# KiCad board noraneko42sgr.kicad_pcb
date: 2022-09-22
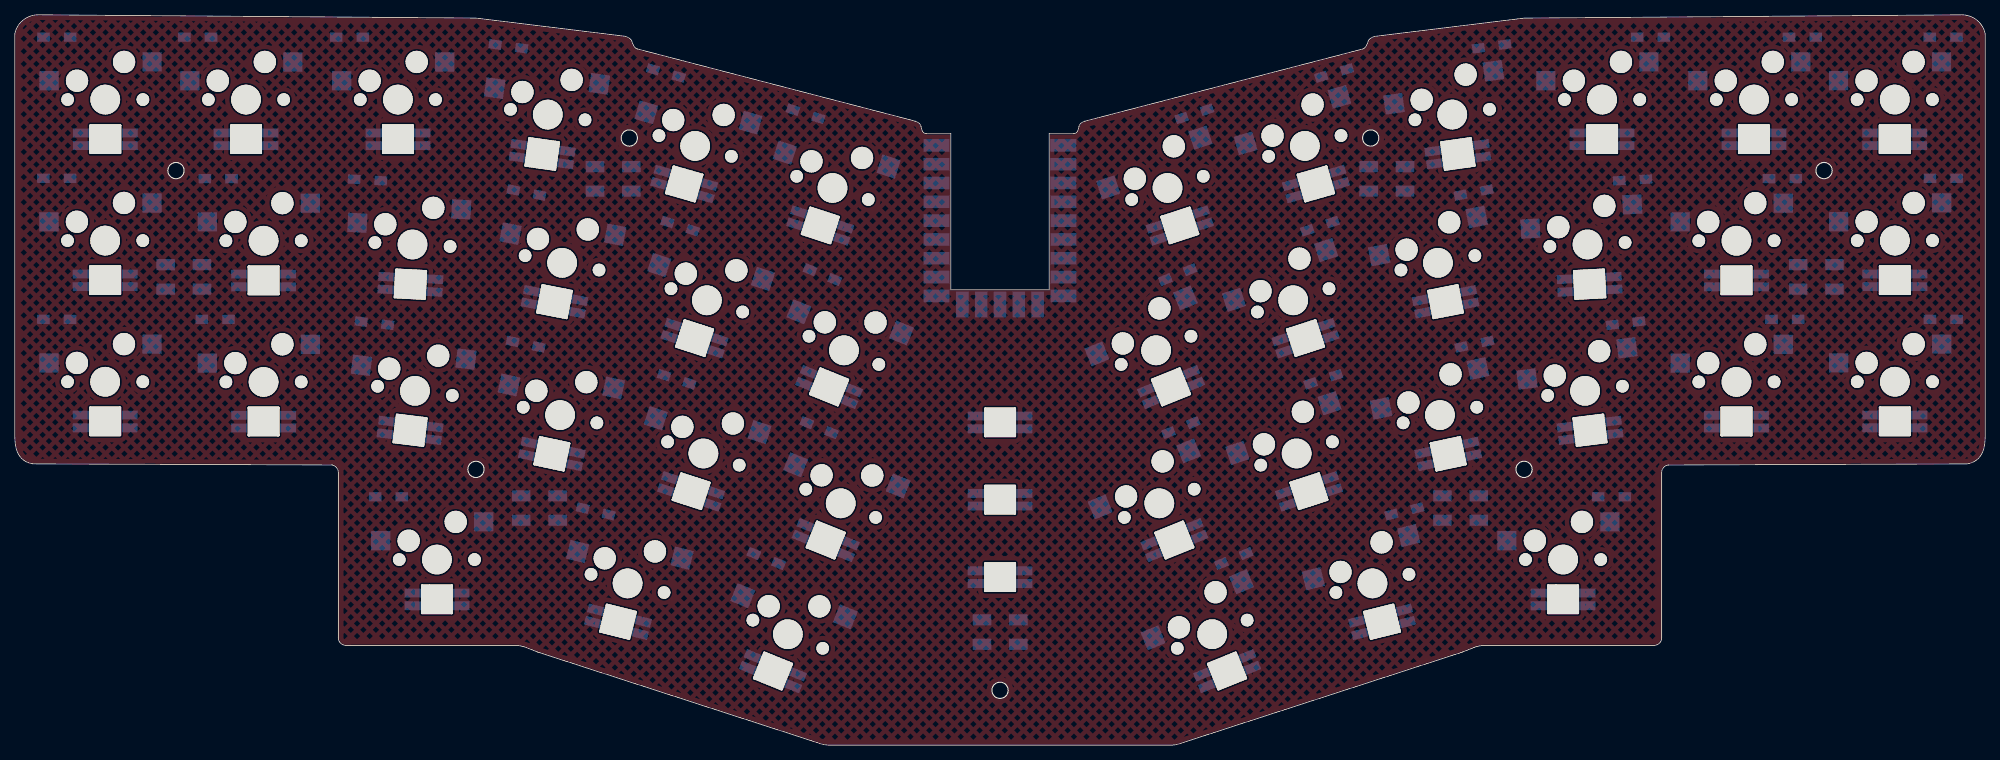
[diagram p0: board, top side]
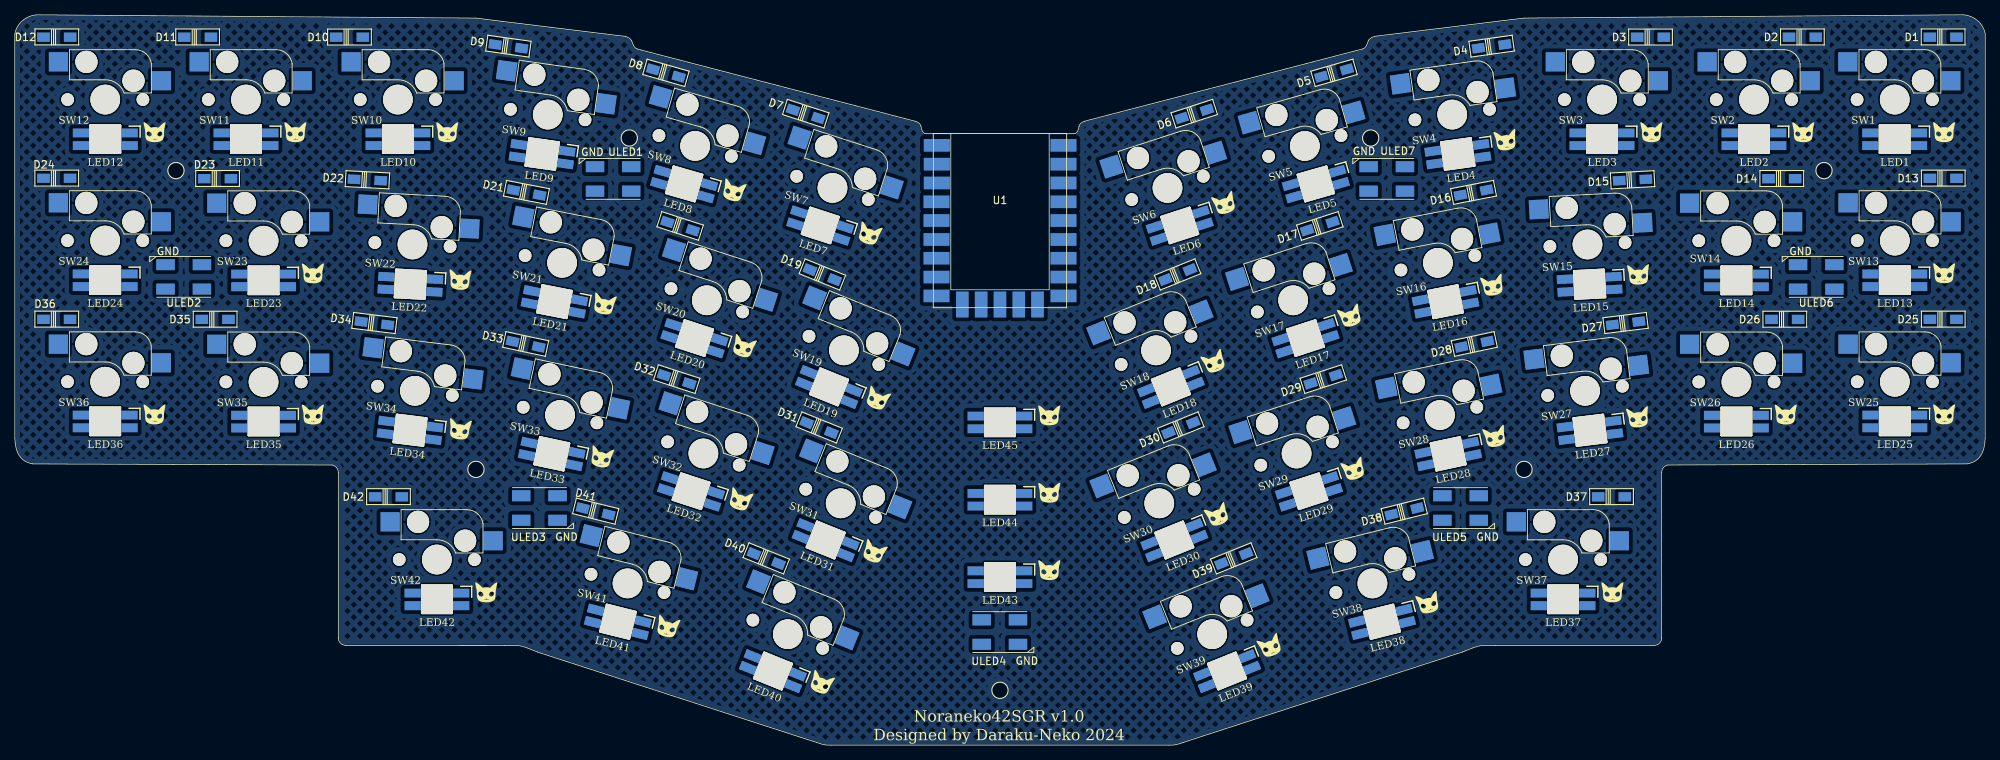
[diagram p1: board, bottom side, seen from below]

Outline 265.88 x 98.56 mm; copper layers: Top, Bottom. Coordinates in mm from the lower left corner of the outline.
Outline path: circle c21.75,77.54 r1.1 ; circle c62.23,37.22 r1.1 ; circle c82.92,81.93 r1.1 ; circle c132.94,7.4 r1.1 ; circle c182.96,81.94 r1.1 ; circle c203.65,37.22 r1.1 ; circle c244.13,77.54 r1.1 ; 0,41.44 0,95.97 ; 2.44,37.96 42.82,37.81 ; 43.66,14.47 43.66,36.83 ; 2.98,98.56 62.22,98.12 82.4,95.65 ; 66.11,13.47 44.66,13.47 ; 108.18,0.38 70.55,12.57 ; 121.49,84.21 83.96,93.96 ; 126.3,82.52 123.06,82.52 ; 142.82,82.52 139.57,82.52 ; 155.75,0.01 110.13,0.01 ; 181.91,93.96 144.38,84.2 ; 183.48,95.65 203.66,98.11 262.9,98.56 ; 195.33,12.57 157.7,0.38 ; 221.22,13.47 199.77,13.46 ; 222.22,36.83 222.22,14.47 ; 223.06,37.81 263.44,37.96 ; 265.87,41.44 265.88,95.97
Stack: Top 0.035mm / dielectric 1.51mm FR4 er 4.5 / Bottom 0.035mm

## Placement (name value [footprint] x y rotation side)
D1  D  [1N4148W]  5.67 95.55 180 bottom
D2  D  [1N4148W]  24.67 95.54 180 bottom
D3  D  [1N4148W]  45.16 95.54 180 bottom
D4  D  [1N4148W]  66.6 94.3 172 bottom
D5  D  [1N4148W]  87.86 90.7 164 bottom
D6  D  [1N4148W]  106.72 85.19 162 bottom
D7  D  [1N4148W]  159.17 85.2 198 bottom
D8  D  [1N4148W]  178.02 90.71 196 bottom
D9  D  [1N4148W]  199.28 94.31 188 bottom
D10  D  [1N4148W]  220.72 95.54 180 bottom
D11  D  [1N4148W]  241.21 95.55 180 bottom
D12  D  [1N4148W]  260.21 95.55 180 bottom
D13  D  [1N4148W]  5.66 76.5 180 bottom
D14  D  [1N4148W]  27.44 76.45 180 bottom
D15  D  [1N4148W]  47.58 76.27 177 bottom
D16  D  [1N4148W]  69.04 74.57 169 bottom
D17  D  [1N4148W]  89.78 70.04 162 bottom
D18  D  [1N4148W]  108.96 63.49 158 bottom
D19  D  [1N4148W]  156.92 63.5 202 bottom
D20  D  [1N4148W]  176.11 70.05 198 bottom
D21  D  [1N4148W]  196.84 74.58 191 bottom
D22  D  [1N4148W]  218.3 76.28 183 bottom
D23  D  [1N4148W]  238.52 76.45 180 bottom
D24  D  [1N4148W]  260.22 76.5 180 bottom
D25  D  [1N4148W]  5.66 57.47 180 bottom
D26  D  [1N4148W]  27.03 57.46 180 bottom
D27  D  [1N4148W]  48.52 56.94 173 bottom
D28  D  [1N4148W]  68.93 54.11 168 bottom
D29  D  [1N4148W]  89.31 49.37 162 bottom
D30  D  [1N4148W]  108.53 42.85 158 bottom
D31  D  [1N4148W]  157.35 42.85 202 bottom
D32  D  [1N4148W]  176.57 49.38 198 bottom
D33  D  [1N4148W]  196.95 54.12 192 bottom
D34  D  [1N4148W]  217.36 56.95 187 bottom
D35  D  [1N4148W]  238.85 57.46 180 bottom
D36  D  [1N4148W]  260.22 57.47 180 bottom
D37  D  [1N4148W]  50.42 33.51 180 bottom
D38  D  [1N4148W]  78.38 31.55 166 bottom
D39  D  [1N4148W]  101.39 25.19 158 bottom
D40  D  [1N4148W]  164.49 25.19 202 bottom
D41  D  [1N4148W]  187.5 31.56 194 bottom
D42  D  [1N4148W]  215.46 33.52 180 bottom
LED1  -  [SK6812MINI-E]  12.21 81.78 0 bottom
LED2  -  [SK6812MINI-E]  31.2 81.78 0 bottom
LED3  -  [SK6812MINI-E]  51.7 81.78 0 bottom
LED4  -  [SK6812MINI-E]  71.16 79.77 352 bottom
LED5  SK6812MINI-E  [SK6812MINI-E_no_logo]  90.32 75.73 344 bottom
LED6  -  [SK6812MINI-E]  108.69 70.14 342 bottom
LED7  -  [SK6812MINI-E]  157.19 70.14 18 bottom
LED8  -  [SK6812MINI-E]  175.56 75.74 16 bottom
LED9  SK6812MINI-E  [SK6812MINI-E_no_logo]  194.72 79.78 8 bottom
LED10  -  [SK6812MINI-E]  214.18 81.78 0 bottom
LED11  -  [SK6812MINI-E]  234.68 81.78 0 bottom
LED12  -  [SK6812MINI-E]  253.67 81.78 0 bottom
LED13  -  [SK6812MINI-E]  12.2 62.75 0 bottom
LED14  SK6812MINI-E  [SK6812MINI-E_no_logo]  33.57 62.73 0 bottom
LED15  -  [SK6812MINI-E]  53.38 62.2 357 bottom
LED16  -  [SK6812MINI-E]  72.82 59.84 349 bottom
LED17  -  [SK6812MINI-E]  91.72 54.93 342 bottom
LED18  -  [SK6812MINI-E]  109.87 48.34 338 bottom
LED19  -  [SK6812MINI-E]  156.01 48.35 22 bottom
LED20  -  [SK6812MINI-E]  174.16 54.94 18 bottom
LED21  -  [SK6812MINI-E]  193.06 59.85 11 bottom
LED22  -  [SK6812MINI-E]  212.5 62.21 3 bottom
LED23  -  [SK6812MINI-E]  232.31 62.73 0 bottom
LED24  SK6812MINI-E  [SK6812MINI-E_no_logo]  253.68 62.75 0 bottom
LED25  -  [SK6812MINI-E]  12.2 43.7 0 bottom
LED26  -  [SK6812MINI-E]  33.57 43.68 0 bottom
LED27  -  [SK6812MINI-E]  53.33 42.49 353 bottom
LED28  -  [SK6812MINI-E]  72.46 39.31 348 bottom
LED29  -  [SK6812MINI-E]  91.26 34.26 342 bottom
LED30  -  [SK6812MINI-E]  109.42 27.68 338 bottom
LED31  -  [SK6812MINI-E]  156.46 27.69 22 bottom
LED32  -  [SK6812MINI-E]  174.62 34.27 18 bottom
LED33  -  [SK6812MINI-E]  193.42 39.32 12 bottom
LED34  -  [SK6812MINI-E]  212.55 42.5 7 bottom
LED35  -  [SK6812MINI-E]  232.31 43.68 0 bottom
LED36  -  [SK6812MINI-E]  253.68 43.7 0 bottom
LED37  -  [SK6812MINI-E]  56.96 19.68 0 bottom
LED38  -  [SK6812MINI-E]  81.39 16.65 346 bottom
LED39  -  [SK6812MINI-E]  102.3 10 338 bottom
LED40  -  [SK6812MINI-E]  163.58 10.01 22 bottom
LED41  -  [SK6812MINI-E]  184.49 16.66 14 bottom
LED42  -  [SK6812MINI-E]  208.92 19.69 0 bottom
LED43  -  [SK6812MINI-E]  132.95 22.68 0 bottom
LED44  -  [SK6812MINI-E]  132.95 33.13 0 bottom
LED45  -  [SK6812MINI-E]  132.95 43.57 0 bottom
SW1  SW_Push  [MX_Socket]  12.21 87.12 0 top
SW2  SW_Push  [MX_Socket]  31.2 87.12 0 top
SW3  SW_Push  [MX_Socket]  51.69 87.12 0 top
SW4  SW_Push  [MX_Socket]  71.92 85.1 352 top
SW5  SW_Push  [MX_Socket]  91.81 80.87 344 top
SW6  SW_Push  [MX_Socket]  110.34 75.2 342 top
SW7  SW_Push  [MX_Socket]  155.54 75.2 18 top
SW8  SW_Push  [MX_Socket]  174.07 80.87 16 top
SW9  SW_Push  [MX_Socket]  193.96 85.1 8 top
SW10  SW_Push  [MX_Socket]  214.19 87.12 0 top
SW11  SW_Push  [MX_Socket]  234.68 87.12 0 top
SW12  SW_Push  [MX_Socket]  253.68 87.13 0 top
SW13  SW_Push  [MX_Socket]  12.19 68.09 0 top
SW14  SW_Push  [MX_Socket]  33.57 68.07 0 top
SW15  SW_Push  [MX_Socket]  53.67 67.57 357 top
SW16  SW_Push  [MX_Socket]  73.85 65.09 349 top
SW17  SW_Push  [MX_Socket]  93.38 60.03 342 top
SW18  SW_Push  [MX_Socket]  111.88 53.28 338 top
SW19  SW_Push  [MX_Socket]  154 53.29 22 top
SW20  SW_Push  [MX_Socket]  172.5 60.04 18 top
SW21  SW_Push  [MX_Socket]  192.03 65.1 11 top
SW22  SW_Push  [MX_Socket]  212.22 67.57 3 top
SW23  SW_Push  [MX_Socket]  232.31 68.07 0 top
SW24  SW_Push  [MX_Socket]  253.69 68.1 0 top
SW25  SW_Push  [MX_Socket]  12.19 49.04 0 top
SW26  SW_Push  [MX_Socket]  33.57 49.02 0 top
SW27  SW_Push  [MX_Socket]  53.99 47.82 353 top
SW28  SW_Push  [MX_Socket]  73.57 44.55 348 top
SW29  SW_Push  [MX_Socket]  92.92 39.36 342 top
SW30  SW_Push  [MX_Socket]  111.45 32.64 338 top
SW31  SW_Push  [MX_Socket]  154.43 32.64 22 top
SW32  SW_Push  [MX_Socket]  172.96 39.37 18 top
SW33  SW_Push  [MX_Socket]  192.31 44.55 12 top
SW34  SW_Push  [MX_Socket]  211.89 47.82 7 top
SW35  SW_Push  [MX_Socket]  232.31 49.02 0 top
SW36  SW_Push  [MX_Socket]  253.69 49.05 0 top
SW37  SW_Push  [MX_Socket]  56.95 25.05 0 top
SW38  SW_Push  [MX_Socket]  82.68 21.83 346 top
SW39  SW_Push  [MX_Socket]  104.31 14.97 338 top
SW40  SW_Push  [MX_Socket]  161.57 14.98 22 top
SW41  SW_Push  [MX_Socket]  183.2 21.83 14 top
SW42  SW_Push  [MX_Socket]  208.93 25.05 0 top
U1  RP2040-Zero  [RP2040-Zero-SMD]  132.94 71.54 180 bottom
ULED1  WS2812B  [WS2812B_PLCC4_5.0x5.0mm]  185.14 76.42 0 bottom
ULED2  WS2812B  [WS2812B_PLCC4_5.0x5.0mm]  243.08 63.2 0 bottom
ULED3  WS2812B  [WS2812B_PLCC4_5.0x5.0mm]  195.09 32 180 bottom
ULED4  WS2812B  [WS2812B_PLCC4_5.0x5.0mm]  132.96 15.26 180 bottom
ULED5  WS2812B  [WS2812B_PLCC4_5.0x5.0mm]  70.79 32 180 bottom
ULED6  WS2812B  [WS2812B_PLCC4_5.0x5.0mm]  22.8 63.19 0 bottom
ULED7  WS2812B  [WS2812B_PLCC4_5.0x5.0mm]  80.74 76.42 0 bottom

## Library data of the parts
D1-D42 = -: Description: Diode, small symbol; LCSC: C81598; Sim.Pins: 1=K 2=A
SW1-SW42 = -: Description: Push button switch, generic, two pins
ULED1-ULED7 = -: LCSC: C2843785; Field5: 1

## Footprints (pads in the part's own frame, mm; a bottom-side part is the same pattern mirrored in y, then rotated)
1N4148W
  rect 1.7x1.25 smd: 1(-1.8,0) 2(1.8,0)
MX_Socket
  round 1.7 hole 1.7 unplated: (-5.081,-0.001) (5.079,-0.001)
  round 3 hole 3 unplated: (-3.811,2.539) (2.539,5.079)
  round 4 hole 4 unplated: (0,0)
  rect 2.6x2.6 smd far side: 1(6.314,5.079) 2(-7.586,2.539)
RP2040-Zero-SMD
  rect 3.5x1.7 smd: 0(9.47,9.41) 1(9.47,6.87) 2(9.47,4.33) 3(9.47,1.79) 4(9.47,-0.75) 5(9.47,-3.29) 6(9.47,-5.83) 7(9.47,-8.37) 8(9.47,-10.91) 14(-9.46,-10.91) 15(-9.46,-8.37) 26(-9.46,-5.83) 27(-9.46,-3.29) 28(-9.46,-0.75) 29(-9.46,1.79) 30(-9.43,4.33) 31(-9.43,6.87) 32(-9.43,9.41)
  rect 1.7x3.5 smd: 9(5.08,-12.96) 10(2.54,-12.96) 11(0,-12.96) 12(-2.54,-12.96) 13(-5.08,-12.96)
SK6812MINI-E
  oval 0.3x4 hole 0.3x4 unplated: (-2,0) (2,0)
  oval 1x3.8 hole 1x3.8 unplated: (-1.47,0) (-1,-0.05) (-0.43,-0.01) (0.3,-0.02) (0.93,-0.02) (1.5,0.02)
  oval 4.3x0.3 hole 4.3x0.3 unplated: (0,-1.86) (0,1.85)
  rect 2.2x1.2 smd: 1(3.28,0.87) 2(3.28,-0.843) 3(-3.28,-0.843) 4(-3.28,0.87)
SK6812MINI-E_no_logo
  oval 0.3x4 hole 0.3x4 unplated: (-2,0) (2,0)
  oval 1x3.8 hole 1x3.8 unplated: (-1.47,0) (-1,-0.05) (-0.43,-0.01) (0.3,-0.02) (0.93,-0.02) (1.5,0.02)
  oval 4.3x0.3 hole 4.3x0.3 unplated: (0,-1.86) (0,1.85)
  rect 2.2x1.2 smd: 1(3.28,0.87) 2(3.28,-0.843) 3(-3.28,-0.843) 4(-3.28,0.87)
WS2812B_PLCC4_5.0x5.0mm
  rect 2.5x1.5 smd: 1(-2.45,1.65) 2(-2.45,-1.65) 3(2.45,-1.65) 4(2.45,1.65)

## Nets
+5V: LED1.1 LED2.1 LED3.1 LED4.1 LED5.1 LED6.1 LED7.1 LED8.1 LED9.1 LED10.1 LED11.1 LED12.1 LED13.1 LED14.1 LED15.1 LED16.1 LED17.1 LED18.1 LED19.1 LED20.1 LED21.1 LED22.1 LED23.1 LED24.1 LED25.1 LED26.1 LED27.1 LED28.1 LED29.1 LED30.1 LED31.1 LED32.1 LED33.1 LED34.1 LED35.1 LED36.1 LED37.1 LED38.1 LED39.1 LED40.1 LED41.1 LED42.1 LED43.1 LED44.1 LED45.1 U1.32 ULED1.1 ULED2.1 ULED3.1 ULED4.1 ULED5.1 ULED6.1 ULED7.1
GND: LED1.3 LED2.3 LED3.3 LED4.3 LED5.3 LED6.3 LED7.3 LED8.3 LED9.3 LED10.3 LED11.3 LED12.3 LED13.3 LED14.3 LED15.3 LED16.3 LED17.3 LED18.3 LED19.3 LED20.3 LED21.3 LED22.3 LED23.3 LED24.3 LED25.3 LED26.3 LED27.3 LED28.3 LED29.3 LED30.3 LED31.3 LED32.3 LED33.3 LED34.3 LED35.3 LED36.3 LED37.3 LED38.3 LED39.3 LED40.3 LED41.3 LED42.3 LED43.3 LED44.3 LED45.3 U1.31 ULED1.3 ULED2.3 ULED3.3 ULED4.3 ULED5.3 ULED6.3 ULED7.3
COL0: SW1.1 SW13.1 SW25.1 U1.1
COL1: SW2.1 SW14.1 SW26.1 U1.2
COL2: SW3.1 SW15.1 SW27.1 U1.3
COL3: SW4.1 SW16.1 SW28.1 SW37.1 U1.4
COL4: SW5.1 SW17.1 SW29.1 SW38.1 U1.5
COL5: SW6.1 SW18.1 SW30.1 SW39.1 U1.6
COL6: SW7.1 SW19.1 SW31.1 SW40.1 U1.7
COL7: SW8.1 SW20.1 SW32.1 SW41.1 U1.8
COL8: SW9.1 SW21.1 SW33.1 SW42.1 U1.9
COL9: SW10.1 SW22.1 SW34.1 U1.10
COL10: SW11.1 SW23.1 SW35.1 U1.11
COL11: SW12.1 SW24.1 SW36.1 U1.12
LED3.3V: U1.0 ULED1.4
ROW0: D1.1 D2.1 D3.1 D4.1 D5.1 D6.1 D7.1 D8.1 D9.1 D10.1 D11.1 D12.1 U1.15
ROW1: D13.1 D14.1 D15.1 D16.1 D17.1 D18.1 D19.1 D20.1 D21.1 D22.1 D23.1 D24.1 U1.26
ROW2: D25.1 D26.1 D27.1 D28.1 D29.1 D30.1 D31.1 D32.1 D33.1 D34.1 D35.1 D36.1 U1.27
ROW3: D37.1 D38.1 D39.1 D40.1 D41.1 D42.1 U1.28
Net-(D1-A): D1.2 SW1.2
Net-(D2-A): D2.2 SW2.2
Net-(D3-A): D3.2 SW3.2
Net-(D4-A): D4.2 SW4.2
Net-(D5-A): D5.2 SW5.2
Net-(D6-A): D6.2 SW6.2
Net-(D7-A): D7.2 SW7.2
Net-(D8-A): D8.2 SW8.2
Net-(D9-A): D9.2 SW9.2
Net-(D10-A): D10.2 SW10.2
Net-(D11-A): D11.2 SW11.2
Net-(D12-A): D12.2 SW12.2
Net-(D13-A): D13.2 SW13.2
Net-(D14-A): D14.2 SW14.2
Net-(D15-A): D15.2 SW15.2
Net-(D16-A): D16.2 SW16.2
Net-(D17-A): D17.2 SW17.2
Net-(D18-A): D18.2 SW18.2
Net-(D19-A): D19.2 SW19.2
Net-(D20-A): D20.2 SW20.2
Net-(D21-A): D21.2 SW21.2
Net-(D22-A): D22.2 SW22.2
Net-(D23-A): D23.2 SW23.2
Net-(D24-A): D24.2 SW24.2
Net-(D25-A): D25.2 SW25.2
Net-(D26-A): D26.2 SW26.2
Net-(D27-A): D27.2 SW27.2
Net-(D28-A): D28.2 SW28.2
Net-(D29-A): D29.2 SW29.2
Net-(D30-A): D30.2 SW30.2
Net-(D31-A): D31.2 SW31.2
Net-(D32-A): D32.2 SW32.2
Net-(D33-A): D33.2 SW33.2
Net-(D34-A): D34.2 SW34.2
Net-(D35-A): D35.2 SW35.2
Net-(D36-A): D36.2 SW36.2
Net-(D37-A): D37.2 SW37.2
Net-(D38-A): D38.2 SW38.2
Net-(D39-A): D39.2 SW39.2
Net-(D40-A): D40.2 SW40.2
Net-(D41-A): D41.2 SW41.2
Net-(D42-A): D42.2 SW42.2
Net-(LED1-DIN): LED1.4 ULED7.2
Net-(LED1-DOUT): LED1.2 LED2.4
Net-(LED2-DOUT): LED2.2 LED3.4
Net-(LED3-DOUT): LED3.2 LED4.4
Net-(LED4-DOUT): LED4.2 LED5.4
Net-(LED5-DOUT): LED5.2 LED6.4
Net-(LED6-DOUT): LED6.2 LED7.4
Net-(LED7-DOUT): LED7.2 LED8.4
Net-(LED8-DOUT): LED8.2 LED9.4
Net-(LED10-DIN): LED9.2 LED10.4
Net-(LED10-DOUT): LED10.2 LED11.4
Net-(LED11-DOUT): LED11.2 LED12.4
Net-(LED12-DOUT): LED12.2 LED13.4
Net-(LED13-DOUT): LED13.2 LED14.4
Net-(LED14-DOUT): LED14.2 LED15.4
Net-(LED15-DOUT): LED15.2 LED16.4
Net-(LED16-DOUT): LED16.2 LED17.4
Net-(LED17-DOUT): LED17.2 LED18.4
Net-(LED18-DOUT): LED18.2 LED19.4
Net-(LED19-DOUT): LED19.2 LED20.4
Net-(LED20-DOUT): LED20.2 LED21.4
Net-(LED21-DOUT): LED21.2 LED22.4
Net-(LED22-DOUT): LED22.2 LED23.4
Net-(LED23-DOUT): LED23.2 LED24.4
Net-(LED24-DOUT): LED24.2 LED25.4
Net-(LED25-DOUT): LED25.2 LED26.4
Net-(LED26-DOUT): LED26.2 LED27.4
Net-(LED27-DOUT): LED27.2 LED28.4
Net-(LED28-DOUT): LED28.2 LED29.4
Net-(LED29-DOUT): LED29.2 LED30.4
Net-(LED30-DOUT): LED30.2 LED31.4
Net-(LED31-DOUT): LED31.2 LED32.4
Net-(LED32-DOUT): LED32.2 LED33.4
Net-(LED33-DOUT): LED33.2 LED34.4
Net-(LED34-DOUT): LED34.2 LED35.4
Net-(LED35-DOUT): LED35.2 LED36.4
Net-(LED36-DOUT): LED36.2 LED37.4
Net-(LED37-DOUT): LED37.2 LED38.4
Net-(LED38-DOUT): LED38.2 LED39.4
Net-(LED39-DOUT): LED39.2 LED40.4
Net-(LED40-DOUT): LED40.2 LED41.4
Net-(LED41-DOUT): LED41.2 LED42.4
Net-(LED42-DOUT): LED42.2 LED43.4
Net-(LED43-DOUT): LED43.2 LED44.4
Net-(LED44-DOUT): LED44.2 LED45.4
Net-(ULED1-DOUT): ULED1.2 ULED2.4
Net-(ULED2-DOUT): ULED2.2 ULED3.4
Net-(ULED3-DOUT): ULED3.2 ULED4.4
Net-(ULED4-DOUT): ULED4.2 ULED5.4
Net-(ULED5-DOUT): ULED5.2 ULED6.4
Net-(ULED6-DOUT): ULED6.2 ULED7.4

Pads without a net: LED45 2; U1 13 14 29 30

## Copper pours and planes (outline as drawn; the poured copper is in the pictures)
(no net) on Top, Bottom: 267.5,98.87 267.53,37.56 224.68,37.3 224.32,12.57 199.1,12.71 158.43,-0.9 109.29,-0.96 67.63,12.48 43.35,12.99 42.82,37.06 15.8,37.06 -0.45,37.24 -0.24,99.49 62.3,98.61 83.08,95.9 111.6,88.17 123.34,84.27 144.37,84.1 153.72,86.52 184.38,95.99 205.89,98.33

## Text on the board
B.Silkscreen: Noraneko42SGR v1.0 / Designed by Daraku-Neko 2024
